# Altium PCB SI941C.PcbDoc (part 3 of 3)
Units mm, origin at the board's own origin, x right, y up, seen from the top; angles counter-clockwise.
Board outline 281.94 x 89 mm, 4 copper layers (Top, MidLayer1, MidLayer2, Bottom), stack 1.65 mm thick; 324 components, 169 nets, 867 pads, 510 vias.
Unrouted connection lines stored in the file: 3.
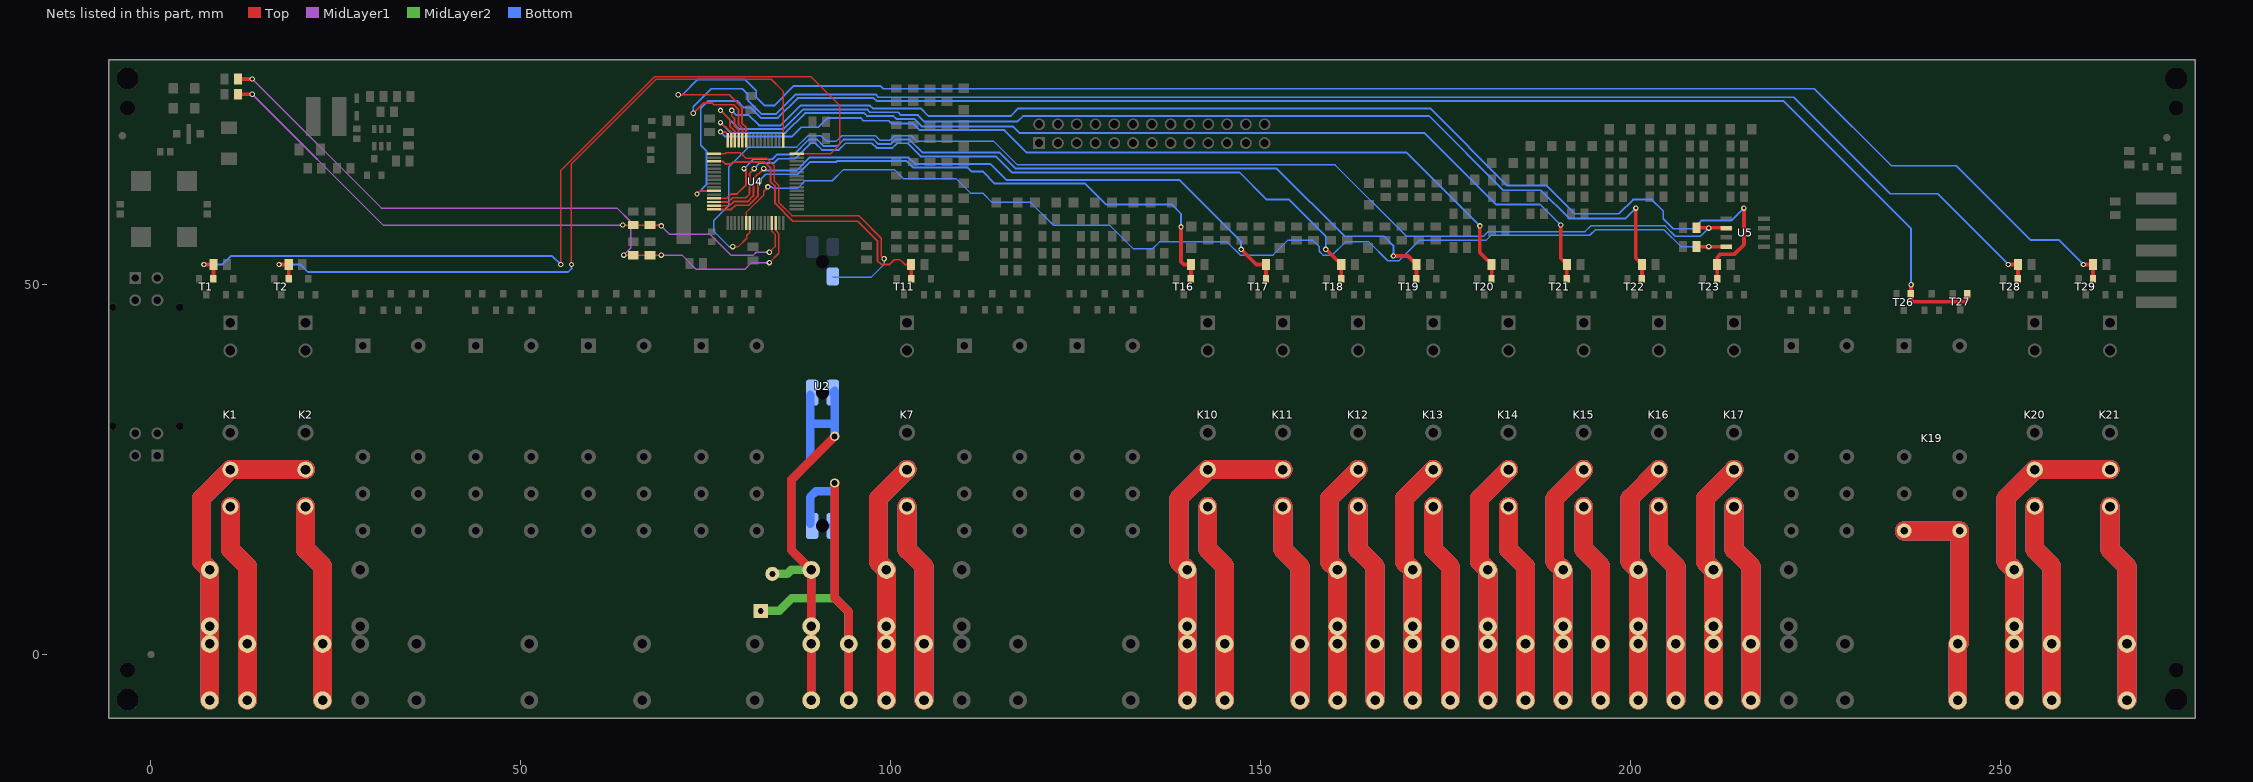
[diagram p5: the nets of this part, all layers, seen from the top]

## Via types
v1: diameter 0.737, hole 0.432, Top to Bottom, 503 vias
v2: diameter 1.524, hole 0.8, Top to Bottom, 4 vias
v3: diameter 1.27, hole 0.8, Top to Bottom, 3 vias

## Nets (pads, with @x,y where several pads share a name; then routed paths per layer and width w, separated by ;. In a path a pad name is that pad's centre, name@x,y a point inside that pad or via, vN(x,y) a via of type N, cw(c..) or ccw(c..) an arc to the next point about the centre after c; other vN are vias at no path point) (continued)
RB7_UC: T26.1 T27.1 U4.43 | length 206.5
  Top w0.254: v1(73.787,62.23) 74.205,62.648 U4.43@76.065,62.648
  Top w0.508: T26.1@237.83,48.725 237.83,49.962 v1(237.846,49.978) ; T26.1@237.83,48.77 237.83,47.965 238.125,47.67 245.17,47.67 245.491,47.991 T27.1@245.491,48.729
  Bottom w0.254: v1(73.787,62.23) 75.057,63.5 75.057,68.072 74.295,68.834 74.295,73.787 75.311,74.803 79.248,74.803 80.137,73.914 81.026,73.914 82.423,72.517 84.709,72.517 87.376,75.184 97.663,75.184 98.044,74.803 220.599,74.803 237.846,57.556 v1(237.846,49.978)
RB7NO: J88.1 J88.2 K19.14 K19.24 | length 121.9
  Top w2.54: K19.14@236.915,16.68 244.415,16.68 244.415,1.68 J88.2@244.165,1.43 J88.1@244.165,-6.19
  MidLayer1 w2.54: K19.14@236.915,16.68 244.415,16.68 244.415,1.68 J88.2@244.165,1.43 J88.1@244.165,-6.19
  MidLayer2 w2.54: K19.14@236.915,16.68 244.415,16.68 244.415,1.68 J88.2@244.165,1.43 J88.1@244.165,-6.19
  Bottom w2.54: K19.14@236.915,16.68 244.415,16.68 244.415,1.68 J88.2@244.165,1.43 J88.1@244.165,-6.19
RBSENS1_UC: R70.1 U4.55 U5.2 | length 164.1
  Top w0.203: v1(78.613,55.118) 79.375,55.118 80.518,56.261 80.518,56.642 80.915,57.039 U4.55@80.915,58.298
  Top w0.508: R70.1@208.877,57.671 U5.2@212.884,57.671
  Bottom w0.203: v1(78.613,55.118) 78.105,55.118 76.073,57.15 76.073,58.674 78.105,60.706 78.105,65.913 80.772,68.58 87.249,68.58 88.773,70.104 90.551,70.104 91.313,69.342 92.583,69.342 93.345,70.104 97.917,70.104 98.552,69.469 99.822,69.469 100.457,70.104 102.743,70.104 103.505,69.342 113.919,69.342 117.094,66.167 160.02,66.167 169.672,56.515 180.086,56.515 180.721,57.15 193.802,57.15 194.564,57.912 204.597,57.912 205.994,56.515 209.391,56.515 v1(210.502,57.626)
RBSENS2_UC: R71.1 U4.54 U5.4 | length 150.5
  Top w0.203: U4.54@80.415,58.298 80.415,59.714 82.804,62.103 82.804,62.611 v1(83.376,63.182)
  Top w0.508: R71.1@208.893,55.115 U5.4@212.947,55.115
  Bottom w0.203: v1(83.376,63.182) 83.883,63.182 84.074,62.992 87.376,62.992 88.392,64.008 92.075,64.008 93.599,65.532 100.457,65.532 101.727,64.262 108.839,64.262 110.744,62.357 112.395,62.357 113.665,61.087 118.872,61.087 121.92,58.039 129.54,58.039 132.715,54.864 135.382,54.864 136.271,55.753 145.415,55.753 147.193,53.975 151.638,53.975 153.67,56.007 156.972,56.007 157.861,55.118 157.861,54.483 158.369,53.975 159.639,53.975 161.417,55.753 164.592,55.753 167.132,53.213 168.656,53.213 171.45,56.007 180.467,56.007 181.102,56.642 194.437,56.642 195.199,57.404 204.47,57.404 206.743,55.131 v1(210.502,55.131)
RM0_UC: R6.2 T1.1 U4.16 | length 121.3
  Top w0.203: v1(55.372,52.705) 55.372,65.401 68.076,78.105 89.154,78.105 93.091,74.168 93.091,68.961 91.778,67.648 U4.16@87.265,67.648
  Top w0.508: v1(7.144,52.705) R6.2@8.452,52.705 T1.1@8.452,50.804
  Bottom w0.254: v1(7.144,52.705) 9.652,52.705 10.795,53.848 54.229,53.848 v1(55.372,52.705)
RM0CO: J4.1 J4.2 J5.1 J5.2 K1.11 K2.11 | length 173.6
  Top w2.54: J5.1@7.945,-6.19 J5.2@7.945,1.43 J4.1@7.945,3.81 J4.2@7.945,11.43 6.826,12.549 6.826,21.081 K1.11@10.725,24.98 K2.11@20.885,24.98
  MidLayer1 w2.54: J5.1@7.945,-6.19 J5.2@7.945,1.43 J4.1@7.945,3.81 J4.2@7.945,11.43 6.826,12.549 6.826,21.081 K1.11@10.725,24.98 K2.11@20.885,24.98
  MidLayer2 w2.54: J5.1@7.945,-6.19 J5.2@7.945,1.43 J4.1@7.945,3.81 J4.2@7.945,11.43 6.826,12.549 6.826,21.081 K1.11@10.725,24.98 K2.11@20.885,24.98
  Bottom w2.54: J5.1@7.945,-6.19 J5.2@7.945,1.43 J4.1@7.945,3.81 J4.2@7.945,11.43 6.826,12.549 6.826,21.081 K1.11@10.725,24.98 K2.11@20.885,24.98
RM0NO: J7.1 J7.2 K1.14 | length 108.5
  Top w2.54: K1.14@10.725,19.98 10.725,14.199 13.025,11.899 J7.2@13.025,1.43 J7.1@13.025,-6.19
  MidLayer1 w2.54: K1.14@10.725,19.98 10.725,14.199 13.025,11.899 J7.2@13.025,1.43 J7.1@13.025,-6.19
  MidLayer2 w2.54: K1.14@10.725,19.98 10.725,14.199 13.025,11.899 J7.2@13.025,1.43 J7.1@13.025,-6.19
  Bottom w2.54: K1.14@10.725,19.98 10.725,14.199 13.025,11.899 J7.2@13.025,1.43 J7.1@13.025,-6.19
RM1_UC: R7.2 T2.1 U4.17 | length 98.1
  Top w0.203: v1(56.825,52.705) 56.825,66.315 68.234,77.724 83.82,77.724 85.415,76.129 U4.17@85.415,69.498
  Top w0.508: v1(17.304,52.705) R7.2@18.612,52.705 T2.1@18.612,50.804
  Bottom w0.254: v1(17.304,52.705) 20.193,52.705 21.209,51.689 56.388,51.689 56.825,52.126 v1(56.825,52.705)
RM1NO: J10.1 J10.2 K2.14 | length 108.5
  Top w2.54: K2.14@20.885,19.98 20.885,14.199 23.185,11.899 J10.2@23.185,1.43 J10.1@23.185,-6.19
  MidLayer1 w2.54: K2.14@20.885,19.98 20.885,14.199 23.185,11.899 J10.2@23.185,1.43 J10.1@23.185,-6.19
  MidLayer2 w2.54: K2.14@20.885,19.98 20.885,14.199 23.185,11.899 J10.2@23.185,1.43 J10.1@23.185,-6.19
  Bottom w2.54: K2.14@20.885,19.98 20.885,14.199 23.185,11.899 J10.2@23.185,1.43 J10.1@23.185,-6.19
RM2_UC: R39.2 T11.1 U4.35 | length 39.1
  Top w0.254: U4.35@76.065,66.648 77.243,66.648 77.597,66.294 78.359,66.294 78.613,66.548 82.931,66.548 83.693,65.786 83.693,63.881 84.328,63.246 84.328,60.96 86.741,58.547 95.504,58.547 98.171,55.88 98.171,53.213 98.679,52.705 99.822,52.705 100.457,53.34 101.219,53.34 101.854,52.705 R39.2@102.718,52.705
  Top w0.508: R39.2@102.718,52.705 102.734,52.689 T11.1@102.734,50.789
RM2CO: J31.1 J31.2 J32.1 J32.2 K7.11 | length 133
  Top w2.54: J32.1@99.385,-6.19 J32.2@99.385,1.43 J31.1@99.385,3.81 J31.2@99.385,11.43 98.266,12.549 98.266,21.081 K7.11@102.165,24.98
  MidLayer1 w2.54: J32.1@99.385,-6.19 J32.2@99.385,1.43 J31.1@99.385,3.81 J31.2@99.385,11.43 98.266,12.549 98.266,21.081 K7.11@102.165,24.98
  MidLayer2 w2.54: J32.1@99.385,-6.19 J32.2@99.385,1.43 J31.1@99.385,3.81 J31.2@99.385,11.43 98.266,12.549 98.266,21.081 K7.11@102.165,24.98
  Bottom w2.54: J32.1@99.385,-6.19 J32.2@99.385,1.43 J31.1@99.385,3.81 J31.2@99.385,11.43 98.266,12.549 98.266,21.081 K7.11@102.165,24.98
RM2NO: J34.1 J34.2 K7.14 | length 108.5
  Top w2.54: K7.14@102.165,19.98 102.165,14.199 104.465,11.899 J34.2@104.465,1.43 J34.1@104.465,-6.19
  MidLayer1 w2.54: K7.14@102.165,19.98 102.165,14.199 104.465,11.899 J34.2@104.465,1.43 J34.1@104.465,-6.19
  MidLayer2 w2.54: K7.14@102.165,19.98 102.165,14.199 104.465,11.899 J34.2@104.465,1.43 J34.1@104.465,-6.19
  Bottom w2.54: K7.14@102.165,19.98 102.165,14.199 104.465,11.899 J34.2@104.465,1.43 J34.1@104.465,-6.19
RM3_UC: R45.2 T16.1 U4.48 | length 79.8
  Top w0.254: U4.48@76.065,60.148 78.436,60.148 78.994,60.706 80.772,60.706 82.042,61.976 82.042,63.881 v1(82.169,64.008)
  Top w0.508: v1(139.192,57.785) 139.192,53.086 139.573,52.705 R45.2@140.532,52.705 T16.1@140.532,50.804
  Bottom w0.254: v1(82.169,64.008) 83.058,64.897 87.376,64.897 89.027,66.548 92.583,66.548 92.71,66.675 102.108,66.675 102.997,65.786 110.363,65.786 110.871,65.278 112.395,65.278 114.046,63.627 126.238,63.627 129.032,60.833 137.922,60.833 139.192,59.563 v1(139.192,57.785)
RM3CO: J44.1 J44.2 J45.1 J45.2 K10.11 K11.11 | length 173.6
  Top w2.54: J45.1@140.025,-6.19 J45.2@140.025,1.43 J44.1@140.025,3.81 J44.2@140.025,11.43 138.906,12.549 138.906,21.081 K10.11@142.805,24.98 K11.11@152.965,24.98
  MidLayer1 w2.54: J45.1@140.025,-6.19 J45.2@140.025,1.43 J44.1@140.025,3.81 J44.2@140.025,11.43 138.906,12.549 138.906,21.081 K10.11@142.805,24.98 K11.11@152.965,24.98
  MidLayer2 w2.54: J45.1@140.025,-6.19 J45.2@140.025,1.43 J44.1@140.025,3.81 J44.2@140.025,11.43 138.906,12.549 138.906,21.081 K10.11@142.805,24.98 K11.11@152.965,24.98
  Bottom w2.54: J45.1@140.025,-6.19 J45.2@140.025,1.43 J44.1@140.025,3.81 J44.2@140.025,11.43 138.906,12.549 138.906,21.081 K10.11@142.805,24.98 K11.11@152.965,24.98
RM3NO: J47.1 J47.2 K10.14 | length 108.5
  Top w2.54: K10.14@142.805,19.98 142.805,14.199 145.105,11.899 J47.2@145.105,1.43 J47.1@145.105,-6.19
  MidLayer1 w2.54: K10.14@142.805,19.98 142.805,14.199 145.105,11.899 J47.2@145.105,1.43 J47.1@145.105,-6.19
  MidLayer2 w2.54: K10.14@142.805,19.98 142.805,14.199 145.105,11.899 J47.2@145.105,1.43 J47.1@145.105,-6.19
  Bottom w2.54: K10.14@142.805,19.98 142.805,14.199 145.105,11.899 J47.2@145.105,1.43 J47.1@145.105,-6.19
RM4_UC: R48.2 T17.1 U4.47 | length 87.4
  Top w0.254: U4.47@76.065,60.648 78.174,60.648 78.74,61.214 80.645,61.214 81.407,61.976 81.407,64.262 v1(82.804,65.659)
  Top w0.508: v1(147.32,54.737) 149.352,52.705 R48.2@150.692,52.705 T17.1@150.692,50.804
  Bottom w0.254: v1(82.804,65.659) 83.058,65.405 87.249,65.405 89.027,67.183 102.362,67.183 103.251,66.294 113.411,66.294 115.57,64.135 138.938,64.135 147.32,55.753 v1(147.32,54.737)
RM4NO: J50.1 J50.2 K11.14 | length 108.5
  Top w2.54: K11.14@152.965,19.98 152.965,14.199 155.265,11.899 J50.2@155.265,1.43 J50.1@155.265,-6.19
  MidLayer1 w2.54: K11.14@152.965,19.98 152.965,14.199 155.265,11.899 J50.2@155.265,1.43 J50.1@155.265,-6.19
  MidLayer2 w2.54: K11.14@152.965,19.98 152.965,14.199 155.265,11.899 J50.2@155.265,1.43 J50.1@155.265,-6.19
  Bottom w2.54: K11.14@152.965,19.98 152.965,14.199 155.265,11.899 J50.2@155.265,1.43 J50.1@155.265,-6.19
RM5_UC: R52.2 T18.1 U4.46 | length 100.7
  Top w0.254: U4.46@76.065,61.148 78.039,61.148 78.613,61.722 80.391,61.722 80.899,62.23 80.899,65.024 v1(81.534,65.659)
  Top w0.508: v1(158.75,54.737) 158.82,54.737 R52.2@160.852,52.705 T18.1@160.852,50.804
  Bottom w0.254: v1(81.534,65.659) 82.296,66.421 84.201,66.421 84.772,66.992 87.058,66.992 89.154,69.088 89.789,69.088 90.678,68.199 92.964,68.199 93.853,69.088 97.409,69.088 98.044,68.453 100.203,68.453 100.838,69.088 102.235,69.088 104.013,67.31 114.173,67.31 116.332,65.151 147.098,65.151 150.781,61.468 153.797,61.468 158.75,56.515 v1(158.75,54.737)
RM5CO: J52.1 J52.2 J53.1 J53.2 K12.11 | length 133
  Top w2.54: J53.1@160.345,-6.19 J53.2@160.345,1.43 J52.1@160.345,3.81 J52.2@160.345,11.43 159.226,12.549 159.226,21.081 K12.11@163.125,24.98
  MidLayer1 w2.54: J53.1@160.345,-6.19 J53.2@160.345,1.43 J52.1@160.345,3.81 J52.2@160.345,11.43 159.226,12.549 159.226,21.081 K12.11@163.125,24.98
  MidLayer2 w2.54: J53.1@160.345,-6.19 J53.2@160.345,1.43 J52.1@160.345,3.81 J52.2@160.345,11.43 159.226,12.549 159.226,21.081 K12.11@163.125,24.98
  Bottom w2.54: J53.1@160.345,-6.19 J53.2@160.345,1.43 J52.1@160.345,3.81 J52.2@160.345,11.43 159.226,12.549 159.226,21.081 K12.11@163.125,24.98
RM5NO: J55.1 J55.2 K12.14 | length 108.5
  Top w2.54: K12.14@163.125,19.98 163.125,14.199 165.425,11.899 J55.2@165.425,1.43 J55.1@165.425,-6.19
  MidLayer1 w2.54: K12.14@163.125,19.98 163.125,14.199 165.425,11.899 J55.2@165.425,1.43 J55.1@165.425,-6.19
  MidLayer2 w2.54: K12.14@163.125,19.98 163.125,14.199 165.425,11.899 J55.2@165.425,1.43 J55.1@165.425,-6.19
  Bottom w2.54: K12.14@163.125,19.98 163.125,14.199 165.425,11.899 J55.2@165.425,1.43 J55.1@165.425,-6.19
RM6_UC: R56.2 T19.1 U4.45 | length 110.9
  Top w0.254: U4.45@76.065,61.648 77.777,61.648 78.359,62.23 79.184,62.23 80.391,63.436 80.391,65.405 v1(80.137,65.659)
  Top w0.508: v1(167.894,53.848) 169.869,53.848 R56.2@171.012,52.705 T19.1@171.012,50.804
  Bottom w0.254: v1(80.137,65.659) 81.407,66.929 83.947,66.929 84.582,67.564 86.868,67.564 88.9,69.596 90.043,69.596 90.932,68.707 92.71,68.707 93.599,69.596 97.663,69.596 98.298,68.961 99.949,68.961 100.584,69.596 102.489,69.596 104.267,67.818 114.681,67.818 116.84,65.659 152.146,65.659 161.29,56.515 166.624,56.515 167.894,55.245 v1(167.894,53.848)
RM6CO: J57.1 J57.2 J58.1 J58.2 K13.11 | length 133
  Top w2.54: J58.1@170.505,-6.19 J58.2@170.505,1.43 J57.1@170.505,3.81 J57.2@170.505,11.43 169.386,12.549 169.386,21.081 K13.11@173.285,24.98
  MidLayer1 w2.54: J58.1@170.505,-6.19 J58.2@170.505,1.43 J57.1@170.505,3.81 J57.2@170.505,11.43 169.386,12.549 169.386,21.081 K13.11@173.285,24.98
  MidLayer2 w2.54: J58.1@170.505,-6.19 J58.2@170.505,1.43 J57.1@170.505,3.81 J57.2@170.505,11.43 169.386,12.549 169.386,21.081 K13.11@173.285,24.98
  Bottom w2.54: J58.1@170.505,-6.19 J58.2@170.505,1.43 J57.1@170.505,3.81 J57.2@170.505,11.43 169.386,12.549 169.386,21.081 K13.11@173.285,24.98
RM6NO: J60.1 J60.2 K13.14 | length 108.5
  Top w2.54: K13.14@173.285,19.98 173.285,14.199 175.585,11.899 J60.2@175.585,1.43 J60.1@175.585,-6.19
  MidLayer1 w2.54: K13.14@173.285,19.98 173.285,14.199 175.585,11.899 J60.2@175.585,1.43 J60.1@175.585,-6.19
  MidLayer2 w2.54: K13.14@173.285,19.98 173.285,14.199 175.585,11.899 J60.2@175.585,1.43 J60.1@175.585,-6.19
  Bottom w2.54: K13.14@173.285,19.98 173.285,14.199 175.585,11.899 J60.2@175.585,1.43 J60.1@175.585,-6.19
RM7_UC: R60.2 T20.1 U4.32 | length 119.6
  Top w0.254: v1(76.962,70.612) 77.597,70.612 77.915,70.294 U4.32@77.915,69.498
  Top w0.508: v1(179.578,57.912) 179.578,54.299 R60.2@181.172,52.705 T20.1@181.172,50.804
  Bottom w0.254: v1(76.962,70.612) 77.597,69.977 86.614,69.977 87.884,71.247 90.17,71.247 91.44,72.517 95.885,72.517 96.266,72.136 99.695,72.136 100.076,71.755 102.997,71.755 103.886,70.866 115.316,70.866 118.364,67.818 169.672,67.818 v1(179.578,57.912)
RM7CO: J62.1 J62.2 J63.1 J63.2 K14.11 | length 133
  Top w2.54: J63.1@180.665,-6.19 J63.2@180.665,1.43 J62.1@180.665,3.81 J62.2@180.665,11.43 179.546,12.549 179.546,21.081 K14.11@183.445,24.98
  MidLayer1 w2.54: J63.1@180.665,-6.19 J63.2@180.665,1.43 J62.1@180.665,3.81 J62.2@180.665,11.43 179.546,12.549 179.546,21.081 K14.11@183.445,24.98
  MidLayer2 w2.54: J63.1@180.665,-6.19 J63.2@180.665,1.43 J62.1@180.665,3.81 J62.2@180.665,11.43 179.546,12.549 179.546,21.081 K14.11@183.445,24.98
  Bottom w2.54: J63.1@180.665,-6.19 J63.2@180.665,1.43 J62.1@180.665,3.81 J62.2@180.665,11.43 179.546,12.549 179.546,21.081 K14.11@183.445,24.98
RM7NO: J65.1 J65.2 K14.14 | length 108.5
  Top w2.54: K14.14@183.445,19.98 183.445,14.199 185.745,11.899 J65.2@185.745,1.43 J65.1@185.745,-6.19
  MidLayer1 w2.54: K14.14@183.445,19.98 183.445,14.199 185.745,11.899 J65.2@185.745,1.43 J65.1@185.745,-6.19
  MidLayer2 w2.54: K14.14@183.445,19.98 183.445,14.199 185.745,11.899 J65.2@185.745,1.43 J65.1@185.745,-6.19
  Bottom w2.54: K14.14@183.445,19.98 183.445,14.199 185.745,11.899 J65.2@185.745,1.43 J65.1@185.745,-6.19
RM8_UC: R63.2 T21.1 U4.31 | length 132.1
  Top w0.254: v1(76.962,71.882) 77.561,71.283 77.688,71.283 78.415,70.556 U4.31@78.415,69.498
  Top w0.508: v1(190.5,58.039) 190.5,53.537 R63.2@191.332,52.705 T21.1@191.332,50.804
  Bottom w0.254: v1(76.962,71.882) 78.359,70.485 85.725,70.485 88.392,73.152 96.393,73.152 96.774,72.771 100.33,72.771 100.711,72.39 103.124,72.39 104.14,71.374 116.459,71.374 117.348,70.485 172.085,70.485 181.737,60.833 187.706,60.833 v1(190.5,58.039)
RM8CO: J67.1 J67.2 J68.1 J68.2 K15.11 | length 133
  Top w2.54: J68.1@190.825,-6.19 J68.2@190.825,1.43 J67.1@190.825,3.81 J67.2@190.825,11.43 189.706,12.549 189.706,21.081 K15.11@193.605,24.98
  MidLayer1 w2.54: J68.1@190.825,-6.19 J68.2@190.825,1.43 J67.1@190.825,3.81 J67.2@190.825,11.43 189.706,12.549 189.706,21.081 K15.11@193.605,24.98
  MidLayer2 w2.54: J68.1@190.825,-6.19 J68.2@190.825,1.43 J67.1@190.825,3.81 J67.2@190.825,11.43 189.706,12.549 189.706,21.081 K15.11@193.605,24.98
  Bottom w2.54: J68.1@190.825,-6.19 J68.2@190.825,1.43 J67.1@190.825,3.81 J67.2@190.825,11.43 189.706,12.549 189.706,21.081 K15.11@193.605,24.98
RM8NO: J70.1 J70.2 K15.14 | length 108.5
  Top w2.54: K15.14@193.605,19.98 193.605,14.199 195.905,11.899 J70.2@195.905,1.43 J70.1@195.905,-6.19
  MidLayer1 w2.54: K15.14@193.605,19.98 193.605,14.199 195.905,11.899 J70.2@195.905,1.43 J70.1@195.905,-6.19
  MidLayer2 w2.54: K15.14@193.605,19.98 193.605,14.199 195.905,11.899 J70.2@195.905,1.43 J70.1@195.905,-6.19
  Bottom w2.54: K15.14@193.605,19.98 193.605,14.199 195.905,11.899 J70.2@195.905,1.43 J70.1@195.905,-6.19
RM9_UC: R66.2 T22.1 U4.30 | length 147.9
  Top w0.254: v1(76.962,73.533) 78.232,72.263 78.232,71.374 78.915,70.691 U4.30@78.915,69.498
  Top w0.508: v1(200.66,60.325) 200.66,53.537 R66.2@201.492,52.705 T22.1@201.492,50.804
  Bottom w0.254: v1(76.962,73.533) 79.502,70.993 85.471,70.993 88.138,73.66 96.774,73.66 97.155,73.279 100.965,73.279 101.346,72.898 103.632,72.898 104.521,72.009 117.094,72.009 117.856,72.771 172.72,72.771 182.753,62.738 187.833,62.738 191.643,58.928 199.263,58.928 v1(200.66,60.325)
RM9CO: J72.1 J72.2 J73.1 J73.2 K16.11 | length 133
  Top w2.54: J73.1@200.985,-6.19 J73.2@200.985,1.43 J72.1@200.985,3.81 J72.2@200.985,11.43 199.866,12.549 199.866,21.081 K16.11@203.765,24.98
  MidLayer1 w2.54: J73.1@200.985,-6.19 J73.2@200.985,1.43 J72.1@200.985,3.81 J72.2@200.985,11.43 199.866,12.549 199.866,21.081 K16.11@203.765,24.98
  MidLayer2 w2.54: J73.1@200.985,-6.19 J73.2@200.985,1.43 J72.1@200.985,3.81 J72.2@200.985,11.43 199.866,12.549 199.866,21.081 K16.11@203.765,24.98
  Bottom w2.54: J73.1@200.985,-6.19 J73.2@200.985,1.43 J72.1@200.985,3.81 J72.2@200.985,11.43 199.866,12.549 199.866,21.081 K16.11@203.765,24.98
RM9NO: J75.1 J75.2 K16.14 | length 108.5
  Top w2.54: K16.14@203.765,19.98 203.765,14.199 206.065,11.899 J75.2@206.065,1.43 J75.1@206.065,-6.19
  MidLayer1 w2.54: K16.14@203.765,19.98 203.765,14.199 206.065,11.899 J75.2@206.065,1.43 J75.1@206.065,-6.19
  MidLayer2 w2.54: K16.14@203.765,19.98 203.765,14.199 206.065,11.899 J75.2@206.065,1.43 J75.1@206.065,-6.19
  Bottom w2.54: K16.14@203.765,19.98 203.765,14.199 206.065,11.899 J75.2@206.065,1.43 J75.1@206.065,-6.19
RM10_UC: R72.2 T23.1 U4.29 | length 166.3
  Top w0.254: v1(78.486,73.533) 78.486,72.771 78.867,72.39 78.867,71.374 79.415,70.826 U4.29@79.415,69.498
  Top w0.508: T23.1@211.652,50.804 R72.2@211.652,52.705 211.652,53.664 212.09,54.102 213.995,54.102 215.265,55.372 v1(215.265,60.325)
  Bottom w0.254: v1(78.486,73.533) 79.121,72.898 80.772,72.898 82.169,71.501 85.09,71.501 87.757,74.168 97.155,74.168 97.536,73.787 104.013,73.787 105.029,72.771 116.205,72.771 117.221,73.787 172.847,73.787 183.261,63.373 188.595,63.373 192.405,59.563 198.374,59.563 200.279,61.468 202.819,61.468 204.356,59.931 204.356,58.915 205.74,57.531 208.407,57.531 209.55,58.674 213.614,58.674 v1(215.265,60.325)
RM10CO: J77.1 J77.2 J78.1 J78.2 K17.11 | length 133
  Top w2.54: J78.1@211.145,-6.19 J78.2@211.145,1.43 J77.1@211.145,3.81 J77.2@211.145,11.43 210.026,12.549 210.026,21.081 K17.11@213.925,24.98
  MidLayer1 w2.54: J78.1@211.145,-6.19 J78.2@211.145,1.43 J77.1@211.145,3.81 J77.2@211.145,11.43 210.026,12.549 210.026,21.081 K17.11@213.925,24.98
  MidLayer2 w2.54: J78.1@211.145,-6.19 J78.2@211.145,1.43 J77.1@211.145,3.81 J77.2@211.145,11.43 210.026,12.549 210.026,21.081 K17.11@213.925,24.98
  Bottom w2.54: J78.1@211.145,-6.19 J78.2@211.145,1.43 J77.1@211.145,3.81 J77.2@211.145,11.43 210.026,12.549 210.026,21.081 K17.11@213.925,24.98
RM10NO: J80.1 J80.2 K17.14 | length 108.5
  Top w2.54: K17.14@213.925,19.98 213.925,14.199 216.225,11.899 J80.2@216.225,1.43 J80.1@216.225,-6.19
  MidLayer1 w2.54: K17.14@213.925,19.98 213.925,14.199 216.225,11.899 J80.2@216.225,1.43 J80.1@216.225,-6.19
  MidLayer2 w2.54: K17.14@213.925,19.98 213.925,14.199 216.225,11.899 J80.2@216.225,1.43 J80.1@216.225,-6.19
  Bottom w2.54: K17.14@213.925,19.98 213.925,14.199 216.225,11.899 J80.2@216.225,1.43 J80.1@216.225,-6.19
RM11_UC: R85.2 T28.1 U4.28 | length 206.7
  Top w0.254: v1(73.279,73.152) 74.676,74.549 75.819,74.549 76.073,74.295 78.74,74.295 79.375,73.66 79.375,71.628 79.915,71.088 U4.28@79.915,69.498
  Top w0.508: v1(250.984,52.705) R85.2@252.292,52.705 T28.1@252.292,50.804
  Bottom w0.254: v1(73.279,73.152) 73.279,74.041 75.692,76.454 79.883,76.454 80.645,75.692 80.645,74.93 82.55,73.025 84.455,73.025 87.122,75.692 97.917,75.692 98.298,75.311 221.996,75.311 235.045,62.262 241.427,62.262 v1(250.984,52.705)
RM11CO: J90.1 J90.2 J91.1 J91.2 K20.11 K21.11 | length 173.6
  Top w2.54: J91.1@251.785,-6.19 J91.2@251.785,1.43 J90.1@251.785,3.81 J90.2@251.785,11.43 250.666,12.549 250.666,21.081 K20.11@254.565,24.98 K21.11@264.725,24.98
  MidLayer1 w2.54: J91.1@251.785,-6.19 J91.2@251.785,1.43 J90.1@251.785,3.81 J90.2@251.785,11.43 250.666,12.549 250.666,21.081 K20.11@254.565,24.98 K21.11@264.725,24.98
  MidLayer2 w2.54: J91.1@251.785,-6.19 J91.2@251.785,1.43 J90.1@251.785,3.81 J90.2@251.785,11.43 250.666,12.549 250.666,21.081 K20.11@254.565,24.98 K21.11@264.725,24.98
  Bottom w2.54: J91.1@251.785,-6.19 J91.2@251.785,1.43 J90.1@251.785,3.81 J90.2@251.785,11.43 250.666,12.549 250.666,21.081 K20.11@254.565,24.98 K21.11@264.725,24.98
RM11NO: J93.1 J93.2 K20.14 | length 108.5
  Top w2.54: K20.14@254.565,19.98 254.565,14.199 256.865,11.899 J93.2@256.865,1.43 J93.1@256.865,-6.19
  MidLayer1 w2.54: K20.14@254.565,19.98 254.565,14.199 256.865,11.899 J93.2@256.865,1.43 J93.1@256.865,-6.19
  MidLayer2 w2.54: K20.14@254.565,19.98 254.565,14.199 256.865,11.899 J93.2@256.865,1.43 J93.1@256.865,-6.19
  Bottom w2.54: K20.14@254.565,19.98 254.565,14.199 256.865,11.899 J93.2@256.865,1.43 J93.1@256.865,-6.19
RM12_UC: R89.2 T29.1 U4.27 | length 221
  Top w0.254: v1(71.247,75.636) 78.161,75.636 79.883,73.914 79.883,71.755 80.415,71.223 U4.27@80.415,69.498
  Top w0.508: v1(261.144,52.705) R89.2@262.452,52.705 T29.1@262.452,50.804
  Bottom w0.254: v1(71.247,75.636) 71.826,75.636 73.914,77.724 80.264,77.724 81.788,76.2 81.788,75.311 82.931,74.168 84.201,74.168 86.868,76.835 98.552,76.835 98.933,76.454 224.79,76.454 235.204,66.04 243.967,66.04 253.968,56.039 257.81,56.039 v1(261.144,52.705)
RM12NO: J96.1 J96.2 K21.14 | length 108.5
  Top w2.54: K21.14@264.725,19.98 264.725,14.199 267.025,11.899 J96.2@267.025,1.43 J96.1@267.025,-6.19
  MidLayer1 w2.54: K21.14@264.725,19.98 264.725,14.199 267.025,11.899 J96.2@267.025,1.43 J96.1@267.025,-6.19
  MidLayer2 w2.54: K21.14@264.725,19.98 264.725,14.199 267.025,11.899 J96.2@267.025,1.43 J96.1@267.025,-6.19
  Bottom w2.54: K21.14@264.725,19.98 264.725,14.199 267.025,11.899 J96.2@267.025,1.43 J96.1@267.025,-6.19
RV0_UC: U2.2UC U4.33 | length 41.4
  Top w0.203: U4.33@76.065,67.648 77.554,67.648 77.724,67.818 79.629,67.818 80.391,67.056 83.185,67.056 84.201,66.04 84.201,64.008 84.836,63.373 84.836,61.087 86.614,59.309 95.631,59.309 98.679,56.261 98.679,53.848 v1(99.06,53.467)
  Bottom w0.203: U2.2UC@92.147,51.08 92.268,50.959 97.314,50.959 99.06,52.705 v1(99.06,53.467)
RV0IN: J26.1 J26.2 J27.1 J27.2 U2.1TR U2.2TR VR1.2 | length 105.6
  Top w1.143: J27.1@89.225,-6.19 J27.2@89.225,1.43 J26.1@89.225,3.81 ; v3(92.392,29.476) 86.519,23.602 86.519,14.136 J26.2@89.225,11.43 ; J26.2@89.221,11.426 89.218,11.422 89.218,3.818 J26.1@89.225,3.81 ; J26.2@89.221,11.426 J26.2@89.225,11.43 ; J26.2@89.221,11.426 J26.2@89.225,11.422 ; J26.2@89.221,11.426 89.218,11.43 J26.2@89.225,11.43 ; J26.1@89.225,3.81 J26.2@89.225,11.422 ; J26.2@89.225,11.422 J26.2@89.225,11.43
  MidLayer2 w1.143: VR1.2@83.965,10.898 85.987,10.898 86.519,11.43 J26.2@89.225,11.43
  Bottom w1.143: U2.2TR@89.059,35.102 89.059,31.17 ; J27.1@89.225,-6.19 J27.2@89.225,1.43 J26.1@89.225,3.81 J26.2@89.225,11.43 86.519,14.136 86.519,23.602 89.059,26.142 89.059,31.17 ; U2.1TR@92.147,35.38 92.392,35.626 92.392,31.17 ; v3(92.392,29.476) 92.392,31.17 ; 89.059,31.17 92.392,31.17
RV0OUT: J29.1 J29.2 U2.3TR U2.4TR VR1.1 | length 85.5
  Top w1.143: v3(92.392,23.177) 92.392,7.62 94.305,5.707 J29.2@94.305,1.55 ; J29.1@94.305,-6.19 J29.2@94.305,1.43
  MidLayer2 w1.143: VR1.1@82.405,5.898 84.886,5.898 86.608,7.62 92.392,7.62 94.305,5.707 J29.2@94.305,1.43
  Bottom w1.143: U2.4TR@89.059,17.658 89.059,21.273 89.852,22.066 92.392,22.066 ; U2.3TR@92.147,17.38 U2.3TR@92.392,17.134 ; v3(92.392,23.177) 92.392,22.066 ; J29.1@94.305,-6.19 J29.2@94.305,1.43 94.305,5.707 92.392,7.62 U2.3TR@92.392,17.134 ; U2.3TR@92.392,17.134 92.392,22.066
SCL: C26.2 R3.1 R44.1 U4.61 | length 85.4
  Top w0.203: v1(63.754,58.039) 63.779,58.014 R44.1@65.151,58.014 C26.2@67.437,58.014 68.732,58.014 68.834,57.912 v1(68.961,57.912) ; v1(83.566,54.356) 84.328,55.118 84.328,56.769 83.915,57.182 U4.61@83.915,58.298
  Top w0.508: R3.1@11.741,75.708 v1(13.684,75.708)
  MidLayer1 w0.203: v1(13.684,75.708) 31.353,58.039 v1(63.754,58.039) ; v1(68.961,57.912) 70.104,56.769 75.565,56.769 78.359,53.975 81.407,53.975 81.788,54.356 v1(83.566,54.356)
SDA: C24.2 R1.1 R43.1 U4.62 | length 93.2
  Top w0.203: v1(63.881,53.975) 63.754,53.975 63.779,53.95 R43.1@65.151,53.95 C24.2@67.437,53.95 68.936,53.95 v1(68.961,53.975) ; v1(83.566,52.959) 84.836,54.229 84.836,56.896 84.415,57.317 U4.62@84.415,58.298
  Top w0.508: R1.1@11.741,77.772 v1(13.684,77.772)
  MidLayer1 w0.203: v1(13.684,77.772) 31.131,60.325 62.992,60.325 64.843,58.474 64.843,54.937 v1(63.881,53.975) ; v1(68.961,53.975) 71.755,53.975 73.66,52.07 80.264,52.07 81.153,52.959 v1(83.566,52.959)
pads on no net: D4.2 J1.FIX1 J1.FIX2 J2.FIX1 J2.FIX2 K1.12 K2.12 K7.12 K10.12 K11.12 K12.12 K13.12 K14.12 K15.12 K16.12 K17.12 K20.12 K21.12 MIR1.1 MIR2.1 MIR3.1 U2.1 U2.3 U2.4 U5.1 U5.8
copper on no net: | length 185.6
  Top w0.254: 271.939,9.887 275.272,9.887 275.272,7.385 ; 275.272,9.366 275.272,12.383 275.266,12.389 271.939,12.389 271.939,4.883 ; 271.939,4.883 275.272,4.883 ; 271.939,4.883 275.272,4.883 ; 271.939,4.883 271.939,2.381 275.272,2.381 275.272,4.883 ; 275.272,4.883 275.272,7.385 ; 275.272,7.385 271.939,7.385 275.272,7.385
  Top w0.508: -1.27,-1.27 1.27,-1.27 1.27,1.27 -1.27,1.27 -1.27,-1.27
  MidLayer1 w0.254: 271.939,9.887 275.272,9.887 275.272,7.385 ; 275.272,9.366 275.272,12.383 275.266,12.389 271.939,12.389 271.939,4.883 ; 271.939,4.883 275.272,4.883 ; 271.939,4.883 275.272,4.883 ; 271.939,4.883 271.939,2.381 275.272,2.381 275.272,4.883 ; 275.272,4.883 275.272,7.385 ; 275.272,7.385 271.939,7.385 275.272,7.385
  MidLayer2 w0.254: 271.939,9.887 275.272,9.887 275.272,7.385 ; 275.272,9.366 275.272,12.383 275.266,12.389 271.939,12.389 271.939,4.883 ; 271.939,4.883 275.272,4.883 ; 271.939,4.883 275.272,4.883 ; 271.939,4.883 271.939,2.381 275.272,2.381 275.272,4.883 ; 275.272,4.883 275.272,7.385 ; 275.272,7.385 271.939,7.385 275.272,7.385
  Bottom w0.254: 271.939,9.887 275.272,9.887 275.272,7.385 ; 275.272,9.366 275.272,12.383 275.266,12.389 271.939,12.389 271.939,4.883 ; 271.939,4.883 271.939,2.381 275.272,2.381 275.272,4.883 ; 271.939,4.883 275.272,4.883 ; 271.939,4.883 275.272,4.883 ; 275.272,4.883 275.272,7.385 ; 275.272,7.385 271.939,7.385 275.272,7.385

## Polygon pours and split planes (outlines as drawn)
GND on Top "Top_GND" (solid, remove dead copper, pour order 27): -6.35,82.689 288.918,82.689 288.925,37.941 6.191,37.782 5.842,37.782 5.842,62.611 -6.35,62.611
GND on MidLayer1 "Top_GND" (solid, remove dead copper, pour order 31): -6.35,82.689 288.918,82.689 288.925,37.941 6.191,37.782 5.842,37.782 5.842,52.995 9.398,56.134 9.398,62.738 -6.35,62.738
+12V on MidLayer2 "Mid2_+12V" (solid, remove dead copper, pour order 37): 1.587,37.846 1.587,67.627 5.461,71.501 256.921,71.501 271.621,56.801 271.621,41.275 268.192,37.846
+12V on MidLayer2 "+12V_L03_P035" (solid, remove dead copper, pour order 35): 34.417,79.121 13.081,79.121 5.334,71.374 5.334,67.437 15.875,67.437 16.002,67.31 16.002,71.247 16.002,71.501 18.923,74.422 19.05,74.549 34.417,74.549
+5V on MidLayer2 "Mid2_+5V" (solid, remove dead copper, pour order 33): 28.099,62.865 17.145,62.865 16.383,63.627 16.383,74.676 267.589,74.676 270.383,71.882 270.383,48.895 264.795,48.895 264.795,64.77 137.287,64.77 132.683,60.166 131.762,60.166 69.759,60.166 65.472,64.453 29.686,64.453
GND on Bottom "Top_GND" (solid, remove dead copper, pour order 39): -6.35,82.689 288.918,82.689 288.925,37.941 6.191,37.782 5.842,37.782 5.842,52.995 9.398,56.134 9.398,62.611 -6.35,62.611

## Keep-outs
Board:
  lines w0.254: -5.715,-8.62 -5.715,80.38 276.225,80.38 276.225,-8.62 -5.715,-8.62 ; 268.229,48.441 cw(c268.229,48.96) 268.229,49.479 276.225,49.479 276.225,48.441 268.229,48.441

## Other copper
Top:
  rectangle net GND: -4.826,60.452 -3.382,62.738
  rectangle net GND: -2.667,62.738 0,66.167
  pour cut-out: -0.635,80.38 -5.715,80.38 -5.715,71.755 -0.635,71.755
  pour cut-out: 276.225,80.38 271.145,80.38 271.145,71.755 276.225,71.755
  pour cut-out: 5.175,37.941 278.289,37.941 278.289,-9.366 -9.366,-9.366 -9.366,24.765 0.318,24.765 3.016,27.464 3.016,32.385 4.604,33.972 4.604,37.37
  pour cut-out: -6.477,65.659 -1.484,65.659 -1.484,62.611 -6.477,62.611
  region net +VBUS: 6.985,59.944 8.382,59.944 8.382,56.769 7.239,55.626 4.064,55.626 4.064,57.15 6.731,57.15 6.985,57.404
  region net GND: -3.429,60.452 -4.826,60.452 -4.826,63.627 -3.683,64.77 -0.508,64.77 -0.508,63.246 -3.175,63.246 -3.429,62.992
  region net +VIN: 6.985,60.452 8.382,60.452 8.382,63.627 7.239,64.77 4.064,64.77 4.064,63.246 6.731,63.246 6.985,62.992
  region net GNDBUS: -3.429,59.944 -4.826,59.944 -4.826,56.769 -3.683,55.626 -0.508,55.626 -0.508,57.15 -3.175,57.15 -3.429,57.404
  pour cut-out: 4.953,52.172 5.845,52.962 9.398,56.134 9.398,63.754 7.874,65.278 5.08,65.278
  text "1" at 274.637,3.296 h2.03 r90
MidLayer1:
  pour cut-out: 5.842,37.846 5.842,52.959 9.398,56.134 9.398,62.611 1.587,62.611 1.587,37.846
  pour cut-out: -0.635,80.38 -5.715,80.38 -5.715,71.755 -0.635,71.755
  pour cut-out: 276.225,80.38 271.145,80.38 271.145,71.755 276.225,71.755
  pour cut-out: 5.048,37.941 278.289,37.941 278.289,-9.366 -9.366,-9.366 -9.366,24.765 0.318,24.765 3.016,27.464 3.016,32.385 4.604,33.972 4.604,37.497
  text "2" at 274.637,5.397 h2.03 r90
MidLayer2:
  pour cut-out: 5.842,37.846 5.842,52.959 9.398,56.134 9.398,62.611 1.587,62.611 1.587,37.846
  pour cut-out: -0.635,80.38 -5.715,80.38 -5.715,71.755 -0.635,71.755
  pour cut-out: 276.225,80.38 271.145,80.38 271.145,71.755 276.225,71.755
  pour cut-out: 5.302,37.941 278.289,37.941 278.289,-9.366 -9.366,-9.366 -9.366,24.765 0.318,24.765 3.016,27.464 3.016,32.385 4.604,33.972 4.604,37.243
  text "3" at 274.637,9.366 h2.03 r90
Bottom:
  pour cut-out: 5.842,37.846 5.842,52.959 9.398,56.134 9.398,62.611 1.587,62.611 1.587,37.846
  pour cut-out: -0.635,80.38 -5.715,80.38 -5.715,71.755 -0.635,71.755
  pour cut-out: 276.225,80.38 271.145,80.38 271.145,71.755 276.225,71.755
  pour cut-out: 5.429,37.941 278.289,37.941 278.289,-9.366 -9.366,-9.366 -9.366,24.765 0.318,24.765 3.016,27.464 3.016,32.385 4.604,33.972 4.604,37.116
  text "4" at 274.637,11.906 h2.03 r90

## Silkscreen, mask and mechanical layers (free items; w line width, h text height)
Top Silk:
  rectangle: 149.225,-7.747 151.765,2.515
  rectangle: 17.145,-7.747 19.685,2.515
Bot Mask:
  drawing of 197 lines, arcs and shapes, not listed
Cartouche TOP (Mec3):
  lines w0.127: -64.483,-123.673 -64.483,158.267 ; 174.277,-118.593 209.837,-118.593 324.137,-118.593
  lines w0.254: -64.483,-123.673 329.217,-123.673 329.217,158.267 -64.483,158.267 ; -64.483,-53.188 -59.403,-53.188 ; -64.483,17.297 -59.403,17.297 ; -64.483,87.782 -59.403,87.782 ; -15.207,-123.673 -15.207,-118.593 ; -15.207,153.187 -15.207,158.267 ; 33.942,-123.673 33.942,-118.593 ; 33.942,153.187 33.942,158.267 ; 83.091,-123.673 83.091,-118.593 ; 83.091,153.187 83.091,158.267 ; 132.367,-123.673 132.367,-118.593 ; 132.367,153.187 132.367,158.267 ; 181.516,-123.673 181.516,-118.593 ; 181.516,153.187 181.516,158.267 ; 181.897,-116.053 236.507,-116.053 ; 181.897,-112.878 236.507,-112.878 262.542,-112.878 324.137,-112.878 ; 181.897,-109.703 236.507,-109.703 ; 181.897,-106.528 236.507,-106.528 ; 181.897,-103.353 236.507,-103.353 ; 181.897,-100.178 236.507,-100.178 ; 181.897,-97.003 236.507,-97.003 ; 190.787,-118.593 190.787,-93.828 ; 202.217,-118.593 202.217,-93.828 ; 228.887,-118.593 228.887,-93.828 ; 230.665,-123.673 230.665,-118.593 ; 230.665,153.187 230.665,158.267 ; 236.507,-118.593 236.507,-93.828 ; 236.507,-104.623 312.329,-104.623 312.329,-93.891 ; 262.542,-118.593 262.542,-93.828 ; 262.542,-109.068 300.007,-109.068 ; 279.941,-123.673 279.941,-118.593 ; 279.941,153.187 279.941,158.267 ; 300.007,-112.878 300.007,-104.623 ; 312.329,-101.13 324.137,-101.13 ; 314.231,-104.623 320.2,-104.623 ; 324.137,-53.188 329.217,-53.188 ; 324.137,17.297 329.217,17.297 ; 324.137,87.782 329.217,87.782 ; 324.137,-118.593 181.897,-118.593 181.897,-93.828 324.137,-93.828 324.137,-118.593 ; 324.137,-118.593 -59.403,-118.593 -59.403,153.187 324.137,153.187 324.137,-118.593
  text "1" at -40.446,154.838 h1.78
  text "2" at 8.593,154.838 h1.78
  text "3" at 57.852,154.838 h1.78
  text "4" at 107.145,154.838 h1.78
  text "5" at 156.421,154.838 h1.78
  text "6" at 205.443,154.838 h1.78
  text "7" at 254.973,154.838 h1.78
  text "8" at 303.995,154.838 h1.78
  text "A" at -62.578,120.853 h1.78
  text "A" at 326.042,120.853 h1.78
  text "B" at -62.578,50.241 h1.78
  text "B" at 326.042,50.241 h1.78
  text "C" at -62.578,-20.371 h1.78
  text "C" at 326.042,-20.371 h1.78
  text "D" at -62.578,-90.475 h1.78
  text "D" at 326.042,-90.475 h1.78
  text "Sheet Size" at 312.707,-96.05 h2.54
  text "Circuit Imprimé pour carte" at 264.129,-98.273 h3.3
  text ".refSC" at 298.737,-98.273 h3.3
  text ".siSheetSize" at 316.644,-99.67 h3.56
  text "Printed Circuit Board for" at 267.622,-102.083 h3.05
  text ".refSC" at 297.467,-102.083 h3.05
  text "Print:" at 314.294,-103.988 h3.05
  text "View:" at 263.812,-107.798 h2.54
  text ".Printout_Name" at 269.844,-107.798 h2.54
  text "DATE:" at 301.277,-107.798 h3.05
  text ".Print_Date" at 309.913,-107.798 h3.05
  text ".refSI1" at 238.094,-110.973 h7.62
  text ".Print_Scale" at 301.277,-111.608 h3.05
  text "File:" at 264.129,-111.925 h2.54
  text ".Pcb_File_Name_No_Path" at 268.892,-111.925 h2.54
  text "a" at 185.707,-115.164 h3.05
  text "CVO" at 229.552,-115.411 h3.05
  text "16/10/16" at 191.422,-115.418 h3.05
  text "Création" at 203.106,-115.418 h3.05
  text "EDA: Altium Designer" at 237.777,-115.418 h2.54
  text "build" at 237.777,-117.704 h2.54
  text ".Application_BuildNumber" at 243.619,-117.704 h2.54
  text "Ind. Min" at 182.659,-118.085 h2.54
  text "Doc Date" at 192.057,-118.085 h2.54
  text "Objet" at 202.979,-118.085 h2.54
  text "Nom" at 230.157,-118.085 h2.54
  text "1" at -40.446,-122.022 h1.78
  text "2" at 8.593,-122.022 h1.78
  text "3" at 57.852,-122.022 h1.78
  text "4" at 107.145,-122.022 h1.78
  text "5" at 156.421,-122.022 h1.78
  text "6" at 205.443,-122.022 h1.78
  text "7" at 254.973,-122.022 h1.78
  text "8" at 303.995,-122.022 h1.78
Cartouche BOT (Mec4):
  drawing of 3701 lines, arcs and shapes, not listed
  text "8" at -39.261,153.838 h1.78
  text "7" at 9.761,153.838 h1.78
  text "6" at 59.291,153.838 h1.78
  text "5" at 108.313,153.838 h1.78
  text "4" at 157.589,153.838 h1.78
  text "3" at 206.882,153.838 h1.78
  text "2" at 256.141,153.838 h1.78
  text "1" at 305.18,153.838 h1.78
  text "A" at -61.308,119.853 h1.78
  text "A" at 327.312,119.853 h1.78
  text "B" at -61.308,49.241 h1.78
  text "B" at 327.312,49.241 h1.78
  text "C" at -61.308,-21.371 h1.78
  text "C" at 327.312,-21.371 h1.78
  text "D" at -61.308,-91.475 h1.78
  text "D" at 327.312,-91.475 h1.78
  text "Sheet Size" at -52.07,-93.345 h2.54
  text ".refSC" at -34.003,-99.273 h3.3
  text "Circuit Imprimé pour carte" at 0.604,-99.273 h3.3
  text ".siSheetSize" at -51.466,-100.86 h3.56
  text ".refSC" at -32.733,-103.083 h3.05
  text "Printed Circuit Board for" at -2.888,-103.083 h3.05
  text "Print:" at -49.561,-104.988 h3.05
  text ".Print_Date" at -45.179,-108.798 h3.05
  text "DATE:" at -36.543,-108.798 h3.05
  text ".Printout_Name" at -5.111,-108.798 h2.54
  text "View:" at 0.922,-108.798 h2.54
  text ".refSI" at 26.322,-112.29 h7.62
  text ".Print_Scale" at -36.543,-112.608 h3.05
  text ".Pcb_File_Name_No_Path" at -4.158,-112.925 h2.54
  text "File:" at 0.604,-112.925 h2.54
  text "Ce document est la propriété de Seccom. Il est interdit de" at 0.922,-116.1 h2.54
  text "EDA: Altium Designer" at 26.957,-116.418 h2.54
  text "le reproduire ou de le communiquer sans son autorisation." at 0.922,-118.323 h2.54
  text ".Application_BuildNumber" at 21.115,-118.704 h2.54
  text "build" at 26.957,-118.704 h2.54
  text "8" at -39.261,-123.022 h1.78
  text "7" at 9.761,-123.022 h1.78
  text "6" at 59.291,-123.022 h1.78
  text "5" at 108.313,-123.022 h1.78
  text "4" at 157.589,-123.022 h1.78
  text "3" at 206.882,-123.022 h1.78
  text "2" at 256.141,-123.022 h1.78
  text "1" at 305.18,-123.022 h1.78
Cotes (Mec6):
  circle w0.05: c273.685,77.84 r1.5
  circle w0.05: c-3.175,77.84 r1.5
  circle w0.05: c-3.175,-6.08 r1.5
  circle w0.05: c273.685,-6.08 r1.5
  circle w0.05: c273.685,-2.08 r1
  circle w0.05: c273.685,73.84 r1
  circle w0.05: c-3.175,73.84 r1
  circle w0.05: c-3.175,-2.08 r1
  lines w0.127: 266.065,83.058 269.24,83.058 273.05,79.248 ; 281.178,70.231 279.019,70.231 274.574,73.279 ; 273.05,79.248 272.796,80.01 272.161,79.502 273.05,79.248 ; 274.574,73.279 275.336,73.025 275.082,72.644 274.574,73.279
  lines w0.254: -1.27,2.99 -0.635,3.625 ; -0.635,-23.495 -0.635,3.625 ; 0,2.99 -0.635,3.625
  text "4x3.00" at 259.842,82.423 h2.29
  text "4x2.00" at 281.686,69.85 h2.29
  text "PCB Manufacturer Logo +DateCode here, on Bottom Solder Mask layer" at -22.86,-26.035 h1.52
NonImprimables (Mec7):
  lines w0.1: 9.525,28.88 9.525,37.93 ; 19.685,28.88 19.685,37.93 ; 32.385,28.88 32.385,37.93 ; 47.625,28.88 47.625,37.93 ; 62.865,28.88 62.865,37.93 ; 78.105,28.88 78.105,37.93 ; 90.805,28.88 90.805,37.93 ; 100.965,28.88 100.965,37.93 ; 113.665,28.88 113.665,37.93 ; 128.905,28.88 128.905,37.93 ; 141.605,28.88 141.605,37.93 ; 151.765,28.88 151.765,37.93 ; 161.925,28.88 161.925,37.93 ; 172.085,28.88 172.085,37.93 ; 182.245,28.88 182.245,37.93 ; 192.405,28.88 192.405,37.93 ; 202.565,28.88 202.565,37.93 ; 212.725,28.88 212.725,37.93 ; 225.425,28.88 225.425,37.93 ; 240.665,28.88 240.665,37.93 ; 253.365,28.88 253.365,37.93 ; 263.525,28.88 263.525,37.93
  lines w0.254: -5.715,35.38 280.225,35.38
  lines w0.5: 14.605,-10.62 14.605,81.38 ; 24.765,-10.62 24.765,81.38 ; 40.005,-10.62 40.005,81.38 ; 55.245,-10.62 55.245,81.38 ; 70.485,-10.62 70.485,81.38 ; 85.725,-10.62 85.725,81.38 ; 95.885,-10.62 95.885,81.38 ; 106.045,-10.62 106.045,81.38 ; 121.285,-10.62 121.285,81.38 ; 136.525,-10.62 136.525,81.38 ; 146.685,-10.62 146.685,81.38 ; 156.845,-10.62 156.845,81.38 ; 167.005,-10.62 167.005,81.38 ; 177.165,-10.62 177.165,81.38 ; 187.325,-10.62 187.325,81.38 ; 197.485,-10.62 197.485,81.38 ; 207.645,-10.62 207.645,81.38 ; 217.805,-10.62 217.805,81.38 ; 233.045,-10.62 233.045,81.38 ; 248.285,-10.62 248.285,81.38 ; 258.445,-10.62 258.445,81.38 ; 268.605,-10.62 268.605,81.38
  lines w1: 271.145,-23.32 271.145,88.44 ; 4.445,-8.62 4.445,79.38 4.445,-8.62
OUTLINE:
  lines w0.025: 268.229,48.41 cw(c268.229,48.91) 268.229,49.41 276.225,49.41 276.225,80.38 -5.715,80.38 -5.715,-8.62 276.225,-8.62 276.225,48.41 268.229,48.41 ; 268.229,48.41 268.229,48.41
DNI:
  lines w0.1: -4.699,59.055 -3.556,61.468 ; -4.699,61.468 -3.556,59.055 ; 7.048,58.991 8.191,61.404 ; 7.048,61.404 8.191,58.991 ; 66.865,53.657 68.008,56.07 ; 66.865,56.07 68.008,53.657 ; 66.992,57.721 68.135,60.134 ; 66.992,60.134 68.135,57.721
Drill Drawing:
  circle w0.254: c-1.508,-53.471 r0.508
  circle w0.254: c-1.508,-53.471 r0.847
  circle w0.254: c-1.508,-87.761 r0.847
  lines w0.254: -2.355,-84.798 -1.508,-84.375 -0.661,-84.798 -1.085,-83.951 -0.661,-83.105 -1.508,-83.528 -2.355,-83.105 -1.931,-83.951 -2.355,-84.798 ; -2.355,-80.988 -2.355,-80.565 -1.931,-80.141 -2.355,-79.718 -2.355,-79.295 -1.931,-79.295 -1.508,-79.718 -1.085,-79.295 -0.661,-79.295 -0.661,-79.718 -1.085,-80.141 -0.661,-80.565 -0.661,-80.988 -1.085,-80.988 -1.508,-80.565 -1.931,-80.988 -2.355,-80.988 ; -2.355,-77.178 -0.661,-77.178 -0.661,-75.485 -2.355,-75.485 -2.355,-77.178 ; -2.355,-72.521 -1.508,-73.368 -0.661,-72.521 -1.508,-71.675 -2.355,-72.521 ; -2.355,-69.135 -1.931,-69.135 -1.931,-69.558 -1.085,-69.558 -1.085,-69.135 -0.661,-69.135 -0.661,-68.288 -1.085,-68.288 -1.085,-67.865 -1.931,-67.865 -1.931,-68.288 -2.355,-68.288 -2.355,-69.135 ; -2.355,-65.325 -1.931,-65.325 -1.508,-65.748 -1.085,-65.325 -0.661,-65.325 -1.085,-64.901 -0.661,-64.478 -1.085,-64.478 -1.508,-64.055 -1.931,-64.478 -2.355,-64.478 -1.931,-64.901 -2.355,-65.325 ; -2.355,-60.245 -0.661,-60.245 -1.508,-61.938 -2.355,-60.245 ; -2.355,-57.705 -1.931,-57.705 -1.508,-58.128 -1.085,-57.705 -0.661,-57.705 -1.085,-57.281 -0.661,-56.858 -1.085,-56.858 -1.508,-56.435 -1.931,-56.858 -2.355,-56.858 -1.931,-57.281 -2.355,-57.705 ; -2.355,-48.815 -0.661,-48.815 -1.508,-50.508 -2.355,-48.815 ; -2.016,-76.839 -1,-76.839 -1,-75.823 -2.016,-75.823 -2.016,-76.839 ; -2.016,-65.155 -1.762,-65.155 -1.508,-65.409 -1.254,-65.155 -1,-65.155 -1.254,-64.901 -1,-64.647 -1.254,-64.647 -1.508,-64.393 -1.762,-64.647 -2.016,-64.647 -1.762,-64.901 -2.016,-65.155 ; -2.016,-49.153 -1,-49.153 -1.508,-50.169 -2.016,-49.153
  lines w0.381: -3.873,-89.751 158.591,-89.751 ; -3.873,-47.841 158.591,-47.841 ; 10.119,-93.561 10.119,-44.031 ; 27.843,-93.561 27.843,-44.031 ; 62.022,-93.561 62.022,-44.031 ; 74.871,-93.561 74.871,-44.031 ; 93.509,-93.561 93.509,-44.031 ; 122.965,-93.561 122.965,-44.031 ; -3.873,-93.561 158.591,-93.561 158.591,-44.031 -3.873,-44.031 -3.873,-93.561
  text "Symbol" at -1.587,-46.698 h1.83
  text "Hit Count" at 11.262,-46.698 h1.83
  text "Finished Hole Size" at 28.986,-46.698 h1.83
  text "Plated" at 63.165,-46.698 h1.83
  text "Hole Type" at 76.014,-46.698 h1.83
  text "Hole Length" at 94.652,-46.698 h1.83
  text "Routed Path Length" at 124.108,-46.698 h1.83
  text "503" at 11.262,-50.508 h1.52
  text "0.432mm (17.00mil)" at 28.986,-50.508 h1.52
  text "PTH" at 63.165,-50.508 h1.52
  text "Round" at 76.014,-50.508 h1.52
  text "-" at 94.652,-50.508 h1.52
  text "-" at 124.108,-50.508 h1.52
  text "9" at 11.262,-54.318 h1.52
  text "0.800mm (31.50mil)" at 28.986,-54.318 h1.52
  text "PTH" at 63.165,-54.318 h1.52
  text "Round" at 76.014,-54.318 h1.52
  text "-" at 94.652,-54.318 h1.52
  text "-" at 124.108,-54.318 h1.52
  text "4" at 11.262,-58.128 h1.52
  text "1.000mm (39.37mil)" at 28.986,-58.128 h1.52
  text "NPTH" at 63.165,-58.128 h1.52
  text "Round" at 76.014,-58.128 h1.52
  text "-" at 94.652,-58.128 h1.52
  text "-" at 124.108,-58.128 h1.52
  text "72" at 11.262,-61.938 h1.52
  text "1.000mm (39.37mil)" at 28.986,-61.938 h1.52
  text "PTH" at 63.165,-61.938 h1.52
  text "Round" at 76.014,-61.938 h1.52
  text "-" at 94.652,-61.938 h1.52
  text "-" at 124.108,-61.938 h1.52
  text "26" at 11.262,-65.748 h1.52
  text "1.100mm (43.31mil)" at 28.986,-65.748 h1.52
  text "PTH" at 63.165,-65.748 h1.52
  text "Round" at 76.014,-65.748 h1.52
  text "-" at 94.652,-65.748 h1.52
  text "-" at 124.108,-65.748 h1.52
  text "165" at 11.262,-69.558 h1.52
  text "1.300mm (51.18mil)" at 28.986,-69.558 h1.52
  text "PTH" at 63.165,-69.558 h1.52
  text "Round" at 76.014,-69.558 h1.52
  text "-" at 94.652,-69.558 h1.52
  text "-" at 124.108,-69.558 h1.52
  text "1" at 11.262,-73.368 h1.52
  text "1.800mm (70.87mil)" at 28.986,-73.368 h1.52
  text "NPTH" at 63.165,-73.368 h1.52
  text "Slot" at 76.014,-73.368 h1.52
  text "5.000mm (196.85mil)" at 94.652,-73.368 h1.52
  text "3.200mm (125.98mil)" at 124.108,-73.368 h1.52
  text "1" at 11.262,-77.178 h1.52
  text "1.800mm (70.87mil)" at 28.986,-77.178 h1.52
  text "NPTH" at 63.165,-77.178 h1.52
  text "Slot" at 76.014,-77.178 h1.52
  text "6.000mm (236.22mil)" at 94.652,-77.178 h1.52
  text "4.200mm (165.35mil)" at 124.108,-77.178 h1.52
  text "1" at 11.262,-80.988 h1.52
  text "1.800mm (70.87mil)" at 28.986,-80.988 h1.52
  text "NPTH" at 63.165,-80.988 h1.52
  text "Slot" at 76.014,-80.988 h1.52
  text "8.100mm (318.90mil)" at 94.652,-80.988 h1.52
  text "6.300mm (248.03mil)" at 124.108,-80.988 h1.52
  text "4" at 11.262,-84.798 h1.52
  text "2.000mm (78.74mil)" at 28.986,-84.798 h1.52
  text "NPTH" at 63.165,-84.798 h1.52
  text "Round" at 76.014,-84.798 h1.52
  text "-" at 94.652,-84.798 h1.52
  text "-" at 124.108,-84.798 h1.52
  text "4" at 11.262,-88.608 h1.52
  text "3.000mm (118.11mil)" at 28.986,-88.608 h1.52
  text "NPTH" at 63.165,-88.608 h1.52
  text "Round" at 76.014,-88.608 h1.52
  text "-" at 94.652,-88.608 h1.52
  text "-" at 124.108,-88.608 h1.52
  text "790 Total" at 11.262,-92.418 h1.52
  text "Slot definitions :" at -1.587,-96.1 h1.52
  text "Routed Path Length" at 24.643,-96.1 h1.52
  text "= Calculated from tool start centre position to tool end centre position." at 52.651,-96.1 h1.52
  text "Hole Length" at 24.643,-98.64 h1.52
  text "= Routed Path Length + Tool Size = Slot length as defined in the PCB layout" at 42.24,-98.64 h1.52

## Dimensions
273.685,-2.08 to 273.685,73.84 on Cotes (Mec6)
273.685,-6.08 to 273.685,77.84 on Cotes (Mec6)
-3.175,-6.08 to 273.685,-6.08 on Cotes (Mec6)
268.229,48.91 to 273.05,57.15 on Cotes (Mec6)
276.225,49.41 to 276.225,80.38 on Cotes (Mec6)
276.225,48.41 to 276.225,49.41 on Cotes (Mec6)
276.225,-8.62 to 276.225,48.41 on Cotes (Mec6)
-2.159,-8.62 to -2.159,80.38 on Cotes (Mec6)
-5.715,-8.62 to 276.225,-8.62 on Cotes (Mec6)

## Text inside footprints (layer, text, board x,y; h text height)
J3: Top Silk "20" at 142.494,75.46 h0.75; Top Silk "2" at 119.888,75.46 h0.75; Top Silk "19" at 142.494,64.665 h0.75; Top Silk "1" at 119.761,64.665 h0.75; Top Assy "2" at 117.475,71.142 h1.27; Top Assy "1" at 117.475,68.602 h1.27; Top Assy "26" at 152.019,71.142 h1.27; Top Assy "25" at 152.019,68.602 h1.27
J97: Top Silk "1" at 275.42,47.625 h1 r90